# Altium PCB FMC_ADC_250M_16B_4ch_pcb.PcbDoc (part 2 of 8) (continued)
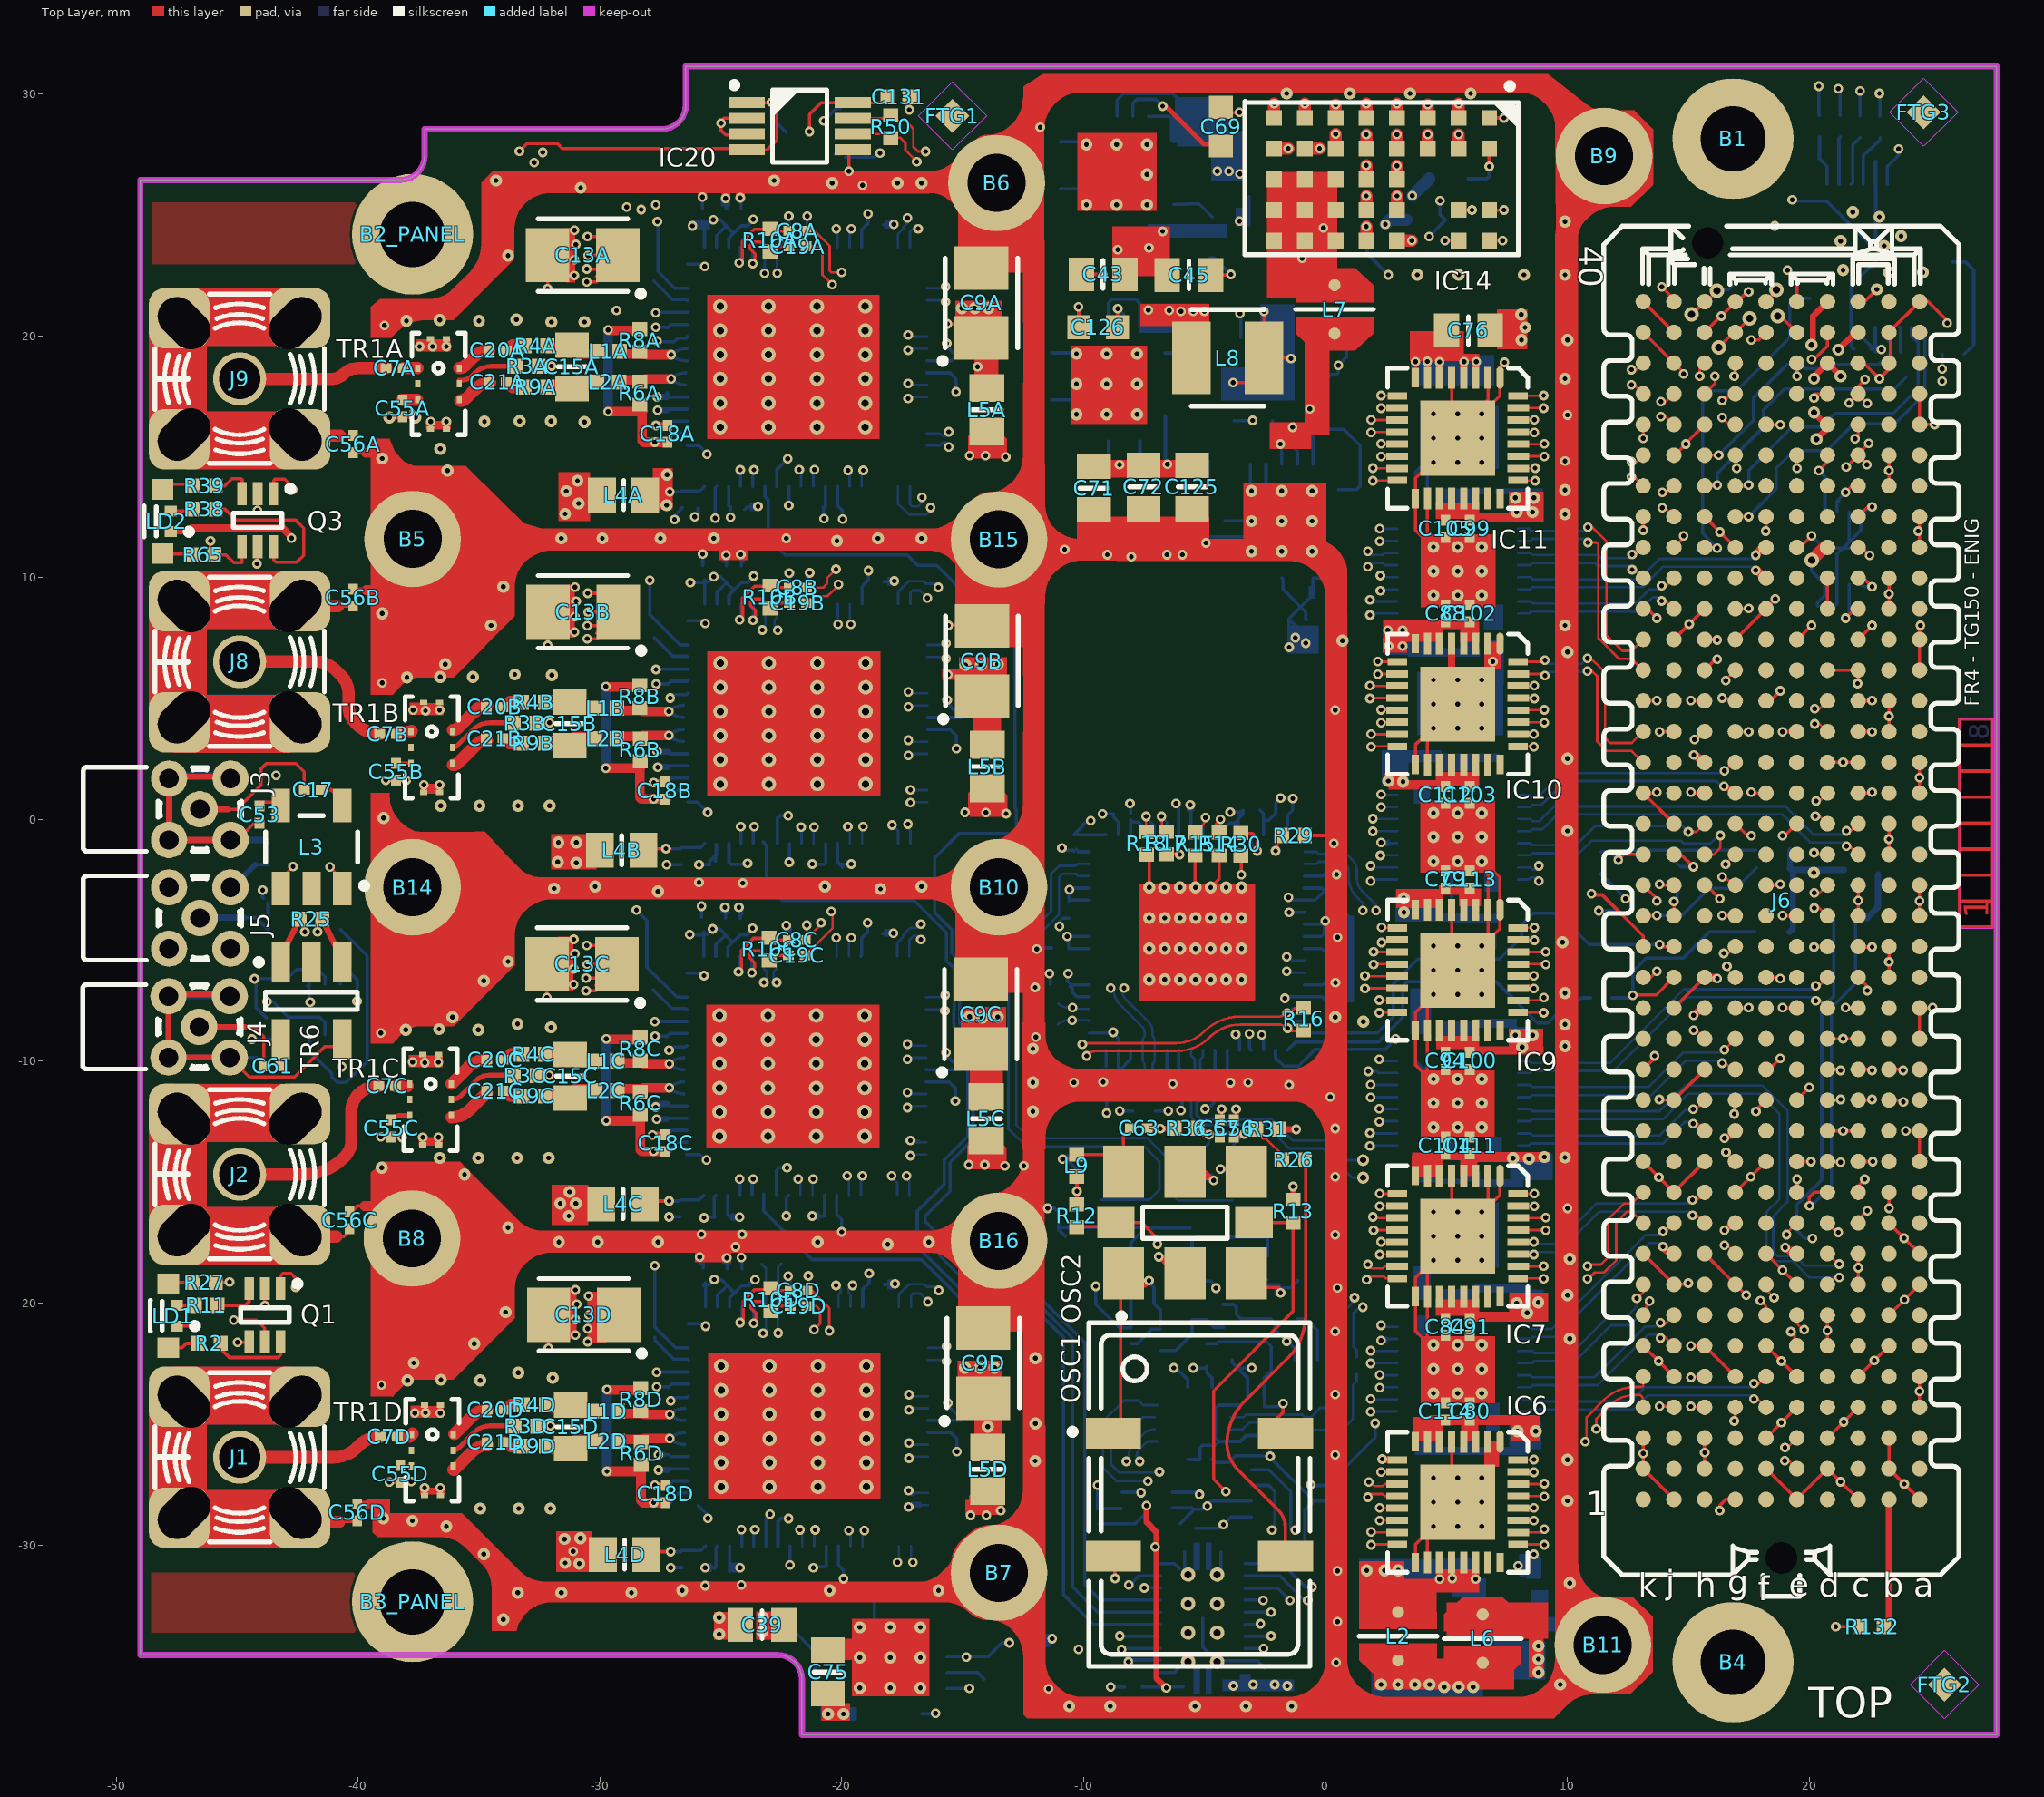
[diagram p0: Top Layer view]
## Part data (continued)
L4A L4B L4C L4D L5A L5B L5C L5D: library part IND0805_MURATA_BLM21PG221SN1D, "Inductor"
L8: library part IND_15UH_20%_TDK_VLCF4020-1, "Inductor"
LD1 LD2: library part LED_AVAGO_HSMF-C113, "Tricolor LEDs 1 Cathode Blue, 2 Common Anode, 3 Cathode Red, 4 Cathode Green"
OSC1: library part OSC_125MHZ_CRYSTEK_CVHD-950-100.000, "Oscillator 4 pins 1=VC 2=GND 3=OUT 4=VDD"
OSC2: library part OSC_10-280MHZ_SILICON-LAB_Si571AJC000337DG, "Any-Rate I2C Programmable XO Oscillator Si571 Serie"
Q1 Q2 Q3: "Dual N-Channel micro TrenchMOS™ Ultra Low Level FET"
R1A R1B R1C R1D R44 R55: library part R0402_10K_1%_0.0625W_100PPM, "Resistor - 1%"
R2 R11 R14 R15 R17 R18 R19 R20 R21 R23 R27 R32 R33 R34 R35 R38 R39 R46 R47: library part R0402_200R_1%_0.0625W_100PPM, "Resistor - 1%"
R3 R10A R10B R10C R10D R45 R50 R51 R52 R53 R74 R75: library part R0402_100R_1%_0.0625W_100PPM, "Resistor - 1%"
R3A R3B R3C R3D R72 R73: library part R0402_0R_JUMPER, "Resistor - 1%"
R4A R4B R4C R4D R9A R9B R9C R9D: library part R0402_15R_1%_0.0625W_100PPM, "Resistor - 1%"
R6A R6B R6C R6D R8A R8B R8C R8D: library part R0402_27R_1%_0.0625W_100PPM, "Resistor - 1%"
R12 R13 R42 R64: library part R0402_2K2_1%_0.0625W_100PPM, "Resistor - 1%"
R16 R25: library part R0402_49R9_1%_0.0625W_100PPM, "Resistor - 1%"
R24 R28: library part R0402_0R_JUMPER, "Resistor"
R26 R31 R36: library part R0402_200R_5%_0.0625W_100PPM, "Resistor - 5%"
R29: library part R0402_5K1_1%_0.0625W_100PPM, "Resistor - 1%"
R30: library part R0402_4K12_1%_0.0625W_100PPM, "Resistor - 1%"
R40: library part R0402_1R_1%_0.0625W_200PPM, "Resistor - 1%"
R43: library part R0603_27K_1%_0.1W_100PPM, "Resistor - 1%"
R48: library part R1210_270R_5%_0.5W_200PPM, "Resistor - 5%"
R49 R132: library part R0402_4K7_1%_0.0625W_100PPM, "Resistor - 1%"
R65: library part R0402_1K_1%_0.0625W_100PPM, "Resistor - 1%"
TP1A TP1B TP1C TP1D: library part SMD_PAD_1.20_d_MM, "Test Point"
TR1A TR1B TR1C TR1D: library part XFMR_ANAREN_BD0205F5050A00, "70MHz - 1000MHz Ultra Low Profile Sub-Miniature Balanced to Unbalanced Transformer"
TR6: library part XFMR_MINI-CIRCUITS_TC1-1+, "50 Ohm  0.4 To 500MHz RF Transformers"

## Via types
v1: diameter 0.4, hole 0.2, Top Layer to Bottom Layer, tented both sides, 961 vias
v2: diameter 0.5, hole 0.2, Top Layer to Bottom Layer, tented both sides, 351 vias
v3: diameter 0.4, hole 0.2, Top Layer to Bottom Layer, 13 vias
v4: diameter 0.5, hole 0.25, Top Layer to Bottom Layer, tented both sides, 8 vias
v5: diameter 0.6, hole 0.3, Top Layer to Bottom Layer, tented both sides, 7 vias

## Nets (pads, with @x,y where several pads share a name; then routed paths per layer and width w, separated by ;. In a path a pad name is that pad's centre, name@x,y a point inside that pad or via, vN(x,y) a via of type N, cw(c..) or ccw(c..) an arc to the next point about the centre after c; other vN are vias at no path point)
3P3VAUX: C55.2 IC22.8 J6.d32 | length 3.1
  Top Layer w0.508: v5(20.106,10.725) 20.636,11.255 J6.d32@20.761,11.255
  Bottom Layer w0.135: v5(20.106,10.725) 20.106,10.275 IC22.8@20.656,9.725 20.656,9.275 20.356,8.975 C55.2@20.356,8.825
ADC1_CLK_N: C19D.1 IC2.34 R20.1 | length 37.4
  Top Layer w0.102: C19D.1@-21.435,-20.117 -21.057,-20.117 -20.893,-20.28 -20.893,-20.847 -20.991,-20.945
  L5 w0.102: v1(-21.147,-21.093) -21.045,-21.093 -20.715,-20.763 -19.898,-20.763 cw(c-19.385,-20.897) -18.856,-20.872 ; -18.856,-20.877 ccw(c-18.555,-20.877) -18.254,-20.877 cw(c-17.725,-20.877) -17.195,-20.877 ccw(c-16.894,-20.877) -16.594,-20.877 cw(c-16.064,-20.877) -15.535,-20.877 ccw(c-15.234,-20.877) -14.933,-20.877 cw(c-14.404,-20.877) -13.874,-20.877 ccw(c-13.574,-20.877) -13.273,-20.877 cw(c-13.158,-20.877) -13.158,-20.763 -12.488,-20.763 ccw(c-12.488,-19.78) -11.794,-20.475 -10.772,-19.453 -8.719,-17.4 ccw(c-10.515,-15.604) -7.975,-15.604 -7.975,-15.375 ccw(c-8.276,-15.375) -8.276,-15.074 -8.415,-15.074 cw(c-8.415,-14.545) -8.415,-14.015 -7.307,-14.015 ccw(c-7.307,-13.715) -7.006,-13.715 ccw(c-7.307,-13.715) -7.307,-13.414 -8.175,-13.414 cw(c-8.175,-12.884) -8.175,-12.355 -7.405,-12.355 ccw(c-7.405,-12.054) -7.104,-12.054 ccw(c-7.405,-12.054) -7.405,-11.753 -7.446,-11.753 cw(c-7.446,-11.224) -7.975,-11.224 -7.975,-8.708 ccw(c-8.658,-8.708) -8.175,-8.225 ccw(c-8.709,-8.759) -8.709,-8.004 -9.713,-8.004 ccw(c-9.713,-9.016) -9.715,-8.004 ccw(c-9.713,-9.016) -10.428,-8.299 ccw(c-9.713,-9.016) v1@-10.429,-8.3
  Bottom Layer w0.102: R20.1@-11.059,-8.479 cw(c-10.626,-8.913) -10.714,-8.306 cw(c-10.626,-8.913) -10.626,-8.3 v1(-10.475,-8.3) -9.84,-8.3 cw(c-9.84,-8.417) IC2.34@-9.758,-8.334
ADC1_CLK_P: C8D.1 IC2.35 R19.1 | length 38.3
  Top Layer w0.102: C8D.1@-21.435,-19.482 -21.234,-19.482 -20.93,-19.786 -20.92,-19.786 -20.563,-20.143 -20.563,-20.153 -20.512,-20.204 v1(-20.512,-21.144)
  L5 w0.102: v1(-20.512,-21.144) -20.512,-21.169 -20.283,-21.169 -20.106,-20.991 -19.8,-20.991 ccw(c-19.8,-20.877) -19.686,-20.882 cw(c-19.385,-20.897) -19.084,-20.88 ccw(c-18.555,-20.877) -18.025,-20.877 cw(c-17.725,-20.877) -17.424,-20.877 ccw(c-16.894,-20.877) -16.365,-20.877 cw(c-16.064,-20.877) -15.763,-20.877 ccw(c-15.234,-20.877) -14.705,-20.877 cw(c-14.404,-20.877) -14.103,-20.877 ccw(c-13.574,-20.877) -13.057,-20.991 -12.394,-20.991 ccw(c-12.394,-20.009) -11.699,-20.704 ; -11.699,-20.704 -8.557,-17.562 ccw(c-10.515,-15.604) -7.746,-15.604 -7.746,-15.375 ccw(c-8.276,-15.375) -8.276,-14.846 -8.415,-14.846 cw(c-8.415,-14.545) -8.415,-14.244 -7.307,-14.244 ccw(c-7.307,-13.715) -6.777,-13.715 ccw(c-7.307,-13.715) -7.307,-13.185 -8.175,-13.185 cw(c-8.175,-12.884) -8.175,-12.584 -7.405,-12.584 ccw(c-7.405,-12.054) -6.876,-12.054 ccw(c-7.405,-12.054) -7.405,-11.525 -7.446,-11.525 cw(c-7.446,-11.224) -7.746,-11.224 -7.746,-8.708 ccw(c-8.658,-8.708) -8.013,-8.063 ccw(c-8.709,-8.76) -8.709,-7.775 v1(-10.458,-7.775)
  Bottom Layer w0.102: R19.1@-11.036,-7.62 ccw(c-10.662,-7.246) -10.714,-7.772 ccw(c-10.662,-7.246) -10.662,-7.775 v1(-10.458,-7.775) ccw(c-10.315,-7.632) -10.315,-7.834 IC2.35@-9.758,-7.834
ADC2_CLK_N: C19C.1 IC2.28 R23.1 | length 38.3
  Top Layer w0.102: C19C.1@-21.505,-5.617 -21.222,-5.334 -21.217,-5.334 -20.371,-4.488 -20.371,-4.191 -20.371,-3.854 v1(-20.425,-3.8)
  L5 w0.102: v1(-20.425,-3.8) -19.479,-3.8 ccw(c-19.479,-3.544) -19.298,-3.725 -19.189,-3.615 cw(c-18.75,-4.054) -18.75,-3.434 -17.028,-3.434 cw(c-17.028,-5.328) -15.688,-3.988 -15.446,-4.231 ccw(c-13.65,-2.435) -13.65,-4.975 -13.322,-4.975 ccw(c-13.322,-3.353) -12.175,-4.5 -11.972,-4.297 ccw(c-12.748,-3.52) -11.65,-3.52 -11.65,-0.005 cw(c-10.495,-0.005) -11.312,0.812 cw(c-10.305,-0.195) -10.305,1.229 -9.554,1.229 cw(c-9.554,0.146) -8.788,0.912 cw(c-9.493,0.207) -8.496,0.207 -8.496,-0.25 ccw(c-8.32,-0.25) -8.32,-0.426 -7.942,-0.426 cw(c-7.942,-0.831) -7.538,-0.831 -7.538,-1.08 cw(c-7.942,-1.08) -7.942,-1.485 -9.279,-1.485 ccw(c-9.279,-1.661) -9.455,-1.661 -9.455,-1.91 ccw(c-9.279,-1.91) -9.279,-2.086 -8.124,-2.086 cw(c-8.124,-2.491) -7.719,-2.491 -7.719,-2.74 cw(c-8.124,-2.74) -8.124,-3.145 -9.279,-3.145 ccw(c-9.279,-3.321) -9.455,-3.321 -9.455,-3.57 ccw(c-9.279,-3.57) -9.279,-3.747 -8.901,-3.747 cw(c-8.901,-4.151) -8.496,-4.151 -8.496,-6.828 ccw(c-8.253,-6.828) v1@-8.425,-7
  Bottom Layer w0.102: v1@-8.425,-7 ccw(c-7.802,-7) -8.243,-7.44 -7.326,-8.357 cw(c-7.77,-8.8) -7.143,-8.8 -7.143,-8.96 cw(c-7.348,-9.165) -7.058,-9.165 IC2.28@-7.058,-9.534 -7.058,-9.9 cw(c-7.348,-9.9) -7.143,-10.105 -7.143,-10.672 cw(c-7.381,-10.91) -7.044,-10.91 R23.1@-7.044,-11.132
  other v1: -8.325,-6.975
ADC2_CLK_P: C8C.1 IC2.29 R21.1 | length 37.4
  Top Layer w0.102: C8C.1@-21.505,-4.982 v1@-20.909,-4.385
  L5 w0.102: v1@-20.944,-4.372 v1@-20.891,-4.425 ; v1(-20.851,-4.275) -20.814,-4.312 ccw(c-20.275,-3.773) -20.275,-4.535 ccw(c-20.275,-3.353) -19.439,-4.189 -19.027,-3.777 cw(c-18.75,-4.054) -18.75,-3.662 -17.028,-3.662 cw(c-17.028,-5.328) -15.85,-4.15 -15.607,-4.393 ccw(c-13.65,-2.435) -13.65,-5.204 -13.322,-5.204 ccw(c-13.322,-3.353) -12.013,-4.662 -11.81,-4.458 ccw(c-12.748,-3.52) -11.421,-3.52 -11.421,-0.005 cw(c-10.495,-0.005) -11.15,0.65 cw(c-10.305,-0.195) -10.305,1 -9.554,1 cw(c-9.554,0.146) -8.95,0.75 cw(c-9.493,0.207) -8.725,0.207 -8.725,-0.25 ccw(c-8.32,-0.25) -8.32,-0.654 -7.942,-0.654 cw(c-7.942,-0.831) -7.766,-0.831 -7.766,-1.08 cw(c-7.942,-1.08) -7.942,-1.256 -9.279,-1.256 ccw(c-9.279,-1.661) -9.684,-1.661 -9.684,-1.91 ccw(c-9.279,-1.91) -9.279,-2.315 -8.124,-2.315 cw(c-8.124,-2.491) -7.948,-2.491 -7.948,-2.74 cw(c-8.124,-2.74) -8.124,-2.916 -9.279,-2.916 ccw(c-9.279,-3.321) -9.684,-3.321 -9.684,-3.57 ccw(c-9.279,-3.57) -9.279,-3.975 -8.901,-3.975 cw(c-8.901,-4.151) -8.725,-4.151 -8.725,-6.65 cw(c-9.147,-6.65) -8.849,-6.949 v1(-8.875,-6.975)
  Bottom Layer w0.102: v1@-8.755,-7 ccw(c-7.802,-7) -8.476,-7.674 -7.56,-8.59 cw(c-7.77,-8.8) -7.473,-8.8 -7.473,-8.96 ccw(c-7.268,-9.165) -7.558,-9.165 IC2.29@-7.558,-9.534 -7.558,-9.9 ccw(c-7.268,-9.9) -7.473,-10.105 -7.473,-10.5 cw(c-7.827,-10.5) -7.576,-10.75 R21.1@-7.958,-11.132
ADC3_CLK_N: C19B.1 IC2.53 R18.1 | length 37.5
  Top Layer w0.102: C19B.1@-21.462,8.95 -21.385,8.95 -21.101,9.235 -20.588,9.235 -20.41,9.412 -20.401,9.412 v1@-20.207,9.606 ; v1@-7.417,0.279 v1(-7.417,0.127) -7.417,-0.515 -7.401,-0.531 R18.1@-7.391,-0.541
  L5 w0.102: v1(-20.133,9.719) -20.027,9.825 -19.594,9.825 cw(c-19.594,9.64) -19.463,9.771 -18.634,8.942 ccw(c-17.394,10.182) -17.394,8.428 -10.903,8.428 ccw(c-10.39,8.562) -9.877,8.428 -8.93,8.428 cw(c-8.93,7.962) -8.6,8.292 -7.492,7.183 cw(c-8.163,6.512) -7.214,6.512 -7.214,6.115 cw(c-7.473,6.115) -7.473,5.855 -8.226,5.855 ccw(c-8.226,5.368) -8.714,5.368 -8.714,5.284 ccw(c-8.226,5.284) -8.226,4.797 -5.973,4.797 cw(c-5.973,4.537) -5.714,4.537 -5.714,4.454 cw(c-5.973,4.454) -5.973,4.195 -8.226,4.195 ccw(c-8.226,3.707) -8.714,3.707 -8.714,3.624 ccw(c-8.226,3.624) -8.226,3.136 -5.973,3.136 cw(c-5.973,2.877) -5.714,2.877 -5.714,2.794 cw(c-5.973,2.794) -5.973,2.535 -8.226,2.535 ccw(c-8.226,2.047) -8.714,2.047 -8.714,1.964 ccw(c-8.226,1.964) -8.226,1.476 -7.473,1.476 cw(c-7.473,1.217) -7.214,1.217 -7.214,0.618 cw(c-7.907,0.618) v1(-7.417,0.127)
  Bottom Layer w0.102: v1@-7.325,0.06 -7.325,-0.008 -7.058,-0.275 IC2.53@-7.058,-0.634
ADC3_CLK_P: C8B.1 IC2.54 R17.1 | length 38.1
  Top Layer w0.102: C8B.1@-21.462,9.585 -21,9.585 -20.995,9.59 -20.766,9.59 -20.612,9.744 -20.612,9.973 v1(-20.233,10.352) ; v1@-6.755,0.1 -6.755,-0.339 -6.589,-0.505 R17.1@-6.579,-0.515
  L5 w0.102: v1(-20.233,10.352) -19.933,10.054 -19.594,10.054 cw(c-19.594,9.64) -19.301,9.932 -18.472,9.104 ccw(c-17.394,10.182) -17.394,8.657 -10.805,8.657 cw(c-10.805,8.543) -10.691,8.548 ccw(c-10.39,8.562) -10.089,8.548 cw(c-9.975,8.543) -9.975,8.657 -8.93,8.657 cw(c-8.93,7.962) -8.439,8.453 -7.33,7.345 cw(c-8.163,6.512) -6.985,6.512 -6.985,6.115 cw(c-7.473,6.115) -7.473,5.627 -8.226,5.627 ccw(c-8.226,5.368) -8.485,5.368 -8.485,5.284 ccw(c-8.226,5.284) -8.226,5.025 -5.973,5.025 cw(c-5.973,4.537) -5.485,4.537 -5.485,4.454 cw(c-5.973,4.454) -5.973,3.966 -8.226,3.966 ccw(c-8.226,3.707) -8.485,3.707 -8.485,3.624 ccw(c-8.226,3.624) -8.226,3.365 -5.973,3.365 cw(c-5.973,2.877) -5.485,2.877 -5.485,2.794 cw(c-5.973,2.794) -5.973,2.306 -8.226,2.306 ccw(c-8.226,2.047) -8.485,2.047 -8.485,1.964 ccw(c-8.226,1.964) -8.226,1.704 -7.473,1.704 cw(c-7.473,1.217) -6.985,1.217 -6.985,0.618 ccw(c-6.291,0.618) v1(-6.782,0.127)
  Bottom Layer w0.102: v1(-6.782,0.127) -6.558,-0.097 IC2.54@-6.558,-0.634
ADC4_CLK_N: C19A.1 IC2.57 R15.1 | length 37.3
  Top Layer w0.102: C19A.1@-21.477,23.704 -20.94,23.704 -20.794,23.558 -20.794,22.525 v1(-20.394,22.125) ; R15.1@-5.385,-0.546 -5.088,-0.249 ccw(c-5.413,0.076) v1(-4.953,0.076)
  L5 w0.102: v1(-20.394,22.125) -20.271,22.247 -19.839,22.247 -19.788,22.196 -18.425,22.196 cw(c-18.425,19.95) -16.837,21.538 cw(c-17.339,21.036) -16.629,21.036 -16.629,16.325 ccw(c-13.925,16.325) -15.837,14.413 ccw(c-14.408,15.842) -14.408,13.821 -12.849,13.821 cw(c-12.849,11.281) -11.052,13.077 -10.654,12.679 cw(c-12.233,11.1) -10,11.1 ccw(c-8.797,11.1) -9.648,10.249 -9.007,9.608 ccw(c-7.9,10.715) -7.9,9.15 -7.23,9.15 cw(c-7.23,6.845) -5.6,8.475 -5.506,8.381 cw(c-7.302,6.585) -4.763,6.585 -4.763,5.46 ccw(c-4.423,5.46) -4.423,5.121 cw(c-4.423,4.96) -4.263,4.96 -4.263,3.679 cw(c-4.423,3.679) -4.423,3.519 ccw(c-4.423,3.179) -4.763,3.179 -4.763,0.536 cw(c-5.413,0.536) v1(-4.953,0.076)
  Bottom Layer w0.102: IC2.57@-5.058,-0.634 -5.058,-0.293 cw(c-4.7,-0.293) -4.953,-0.04 v1(-4.953,0.076)
ADC4_CLK_P: C8A.1 IC2.58 R14.1 | length 37.7
  Top Layer w0.102: C8A.1@-21.477,24.339 -21.108,24.339 -20.494,23.725 -20.494,22.692 -20.427,22.625 v1(-19.994,22.625) ; R14.1@-4.394,-0.546 cw(c-4.078,-0.23) -4.525,-0.23 -4.525,-0.225 cw(c-4.42,-0.225) -4.494,-0.151 v1(-4.343,0)
  L5 w0.102: v1(-19.994,22.625) -19.894,22.625 -19.694,22.425 -18.38,22.425 cw(c-18.38,20.058) -16.707,21.732 -16.675,21.7 cw(c-17.339,21.036) -16.4,21.036 -16.4,16.325 ccw(c-13.925,16.325) -15.675,14.575 ccw(c-14.408,15.842) -14.408,14.05 -12.849,14.05 cw(c-12.849,11.281) -10.891,13.239 -10.492,12.841 cw(c-12.233,11.1) -9.771,11.1 ccw(c-8.797,11.1) -9.486,10.411 -8.845,9.77 ; -8.844,9.769 ccw(c-7.9,10.715) -7.9,9.379 -7.23,9.379 cw(c-7.23,6.845) -5.438,8.637 -5.345,8.543 cw(c-7.302,6.585) -4.534,6.585 -4.534,5.46 ccw(c-4.423,5.46) -4.423,5.349 cw(c-4.423,4.96) -4.034,4.96 -4.034,3.679 cw(c-4.423,3.679) -4.423,3.29 ccw(c-4.423,3.179) -4.534,3.179 -4.534,0.46 ccw(c-3.883,0.46) v1(-4.343,0)
  Bottom Layer w0.102: IC2.58@-4.558,-0.634 -4.558,-0.518 cw(c-3.826,-0.518) v1(-4.343,0)
ADC_BUF_CSB0: IC1D.67 IC18.5 | length 21.8
  Top Layer w0.135: v1(-22.958,-28.731) v1@-22.95,-28.738
  L3 w0.127: v1(-22.958,-28.731) -22.958,-31.001 -21.054,-32.904 -15.593,-32.904 -13.713,-34.784 -9.463,-34.784 -8.837,-34.158 -8.837,-34.154 -8.594,-33.911 -8.59,-33.911 -8.498,-33.818 v1(-8.498,-33.768)
  Bottom Layer w0.135: IC1D.67@-23.133,-30.05 -23.133,-28.907 v1(-22.958,-28.731) ; v1(-8.498,-33.768) -6.923,-33.768 IC18.5@-6.898,-33.793
ADC_BUF_CSB1: IC1C.67 IC18.6 | length 30.4
  Bottom Layer w0.135: IC1C.67@-23.23,-15.48 -23.23,-16.191 -21.223,-18.197 -16.703,-18.197 -14.835,-20.065 -12.175,-20.065 -10.835,-21.406 -10.835,-32.04 -9.594,-33.281 IC18.6@-6.819,-33.281
ADC_BUF_CSB2: IC1B.67 IC18.7 | length 46.6
  Bottom Layer w0.135: IC1B.67@-23.255,-0.925 -23.103,-1.078 -23.103,-2.703 -22.456,-3.35 -20.581,-3.35 -17,-3.35 -15.669,-4.681 -15.669,-5.842 -15.354,-6.157 -15.354,-7.874 -15.362,-7.882 -15.362,-8.425 -15.354,-8.433 -15.354,-8.599 -14.791,-9.162 -14.791,-13.11 -15.756,-14.075 -15.756,-15.084 -16.875,-16.203 -16.875,-17.65 -14.696,-19.829 -12.077,-19.829 -10.454,-21.453 -10.454,-31.736 -9.408,-32.781 IC18.7@-6.819,-32.781
ADC_BUF_CSB3: IC1A.67 IC18.8 | length 64.8
  Bottom Layer w0.135: IC1A.67@-23.175,13.771 -23.175,13.338 -23.039,13.202 -23.039,11.634 -22.341,10.936 -17.286,10.936 -16.854,10.505 -16.073,10.505 -12.841,7.273 -12.841,0.471 -12.782,0.412 -12.782,-0.333 -13.019,-0.57 -15.131,-0.57 -16.15,-1.589 -16.15,-3.85 -15.433,-4.567 -15.433,-5.53 -15.117,-5.846 -15.117,-7.972 -15.126,-7.98 -15.126,-8.327 -15.117,-8.335 -15.117,-8.429 -14.554,-8.992 -14.554,-13.208 -15.519,-14.173 -15.519,-15.369 -16.55,-16.4 -16.55,-16.625 -15.95,-17.225 -15.95,-18.035 -14.392,-19.593 -11.98,-19.593 -9.946,-21.627 -9.946,-31.634 -9.299,-32.281 IC18.8@-6.819,-32.281
ADC_BUF_DATA0.CLKOUT_N: IC5.31 J6.f5 | length 10.8
  Top Layer w0.102: v1(17.715,-23.331) 17.814,-23.43 17.826,-23.43 J6.f5@18.221,-23.035
  Bottom Layer w0.102: IC5.31@7.971,-23.979 8.475,-23.979 8.56,-24.064 12.617,-24.064 13.201,-23.481 17.566,-23.481 v1(17.715,-23.331)
ADC_BUF_DATA0.CLKOUT_P: IC5.32 J6.f4 | length 10.8
  Top Layer w0.102: v1(17.715,-23.96) 17.762,-23.913 17.829,-23.913 J6.f4@18.221,-24.305
  Bottom Layer w0.102: IC5.32@7.971,-24.479 8.424,-24.479 8.509,-24.395 12.754,-24.395 13.338,-23.811 17.566,-23.811 v1(17.715,-23.96)
ADC_BUF_DATA0.D0_N: IC6.26 J6.e3 | length 13.8
  Top Layer w0.102: IC6.26@7.971,-29.479 9.04,-29.479 9.054,-29.466 v1(9.054,-29.348) ; v1@19.093,-26.029 19.093,-25.974 J6.e3@19.491,-25.575
  L3 w0.102: v1(9.054,-29.348) 9.054,-29.466 9.203,-29.615 15.836,-29.615 17.385,-28.067 17.385,-27.598 18.843,-26.14 18.896,-26.14 19.006,-26.029 v1@19.093,-26.029
  other v1: 19.006,-25.975
ADC_BUF_DATA0.D0_P: IC6.25 J6.e2 | length 14.4
  Top Layer w0.102: IC6.25@7.971,-29.979 9.04,-29.979 v1(9.054,-29.993) ; v1@19.067,-26.562 19.067,-26.551 19.133,-26.486 J6.e2@19.491,-26.845
  L3 w0.102: v1(9.054,-29.993) 9.203,-29.844 15.931,-29.844 ; 16.568,-29.207 15.931,-29.844 ; v1@19.067,-26.562 18.915,-26.41 18.896,-26.41 17.613,-27.692 17.613,-28.161 15.931,-29.844
  other v1: 18.999,-26.518
ADC_BUF_DATA0.D2_N: IC6.29 J6.f8 | length 16.2
  Top Layer w0.102: IC6.29@7.971,-27.979 9.04,-27.979 v1(9.054,-27.993) ; J6.f8@18.221,-19.225 18.221,-19.44 v1(18.553,-19.772)
  L5 w0.102: v1@18.477,-19.848 v1(18.553,-19.772)
  L3 w0.102: v1(9.054,-27.993) 9.203,-27.844 9.606,-27.844 12.542,-24.907 13.545,-24.907 14.068,-24.907 15.85,-24.907 15.879,-24.878 16.674,-24.083 16.674,-23.43 18.375,-21.728 18.375,-19.899 18.426,-19.899 v1(18.553,-19.772)
ADC_BUF_DATA0.D2_P: IC6.30 J6.f7 | length 15.7
  Top Layer w0.102: IC6.30@7.971,-27.479 9.04,-27.479 v1(9.054,-27.466) ; v1(17.994,-19.899) 18.221,-20.126 J6.f7@18.221,-20.495
  L3 w0.102: v1(9.054,-27.466) 9.203,-27.615 9.511,-27.615 12.448,-24.678 15.755,-24.678 16.445,-23.989 16.445,-23.335 18.147,-21.633 18.147,-19.899 v1(17.994,-19.899)
ADC_BUF_DATA0.D4_N: IC6.27 J6.e7 | length 17.1
  Top Layer w0.102: IC6.27@7.971,-28.979 8.608,-28.979 v1(8.622,-28.993) ; J6.e7@19.491,-20.495 19.491,-20.84 19.753,-21.101 v1(19.804,-21.101)
  L3 w0.102: v1(8.622,-28.993) 8.771,-28.844 9.504,-28.844 9.508,-28.84 14.235,-28.84 19.671,-23.404 19.671,-21.235 v1(19.804,-21.101)
ADC_BUF_DATA0.D4_P: IC6.28 J6.e6 | length 16.7
  Top Layer w0.102: IC6.28@7.971,-28.479 8.608,-28.479 v1(8.622,-28.466) ; v1(19.245,-21.178) 19.321,-21.178 19.401,-21.257 19.401,-21.674 J6.e6@19.491,-21.765
  L3 w0.102: v1(8.622,-28.466) 8.771,-28.615 9.409,-28.615 9.413,-28.611 14.141,-28.611 19.442,-23.31 19.442,-21.375 v1(19.245,-21.178)
ADC_BUF_DATA0.D6_N: IC6.32 J6.e10 | length 18.2
  Top Layer w0.102: IC6.32@7.971,-26.479 8.608,-26.479 v1(8.622,-26.466) ; v1(19.067,-17.164) 19.067,-17.109 J6.e10@19.491,-16.685
  L3 w0.102: v1(8.622,-26.466) 8.771,-26.615 8.901,-26.615 11.568,-23.948 11.568,-19.779 12.947,-18.401 17.004,-18.401 18.121,-17.283 18.949,-17.283 v1(19.067,-17.164)
ADC_BUF_DATA0.D6_P: IC6.31 J6.e9 | length 18.1
  Top Layer w0.102: IC6.31@7.971,-26.979 8.608,-26.979 v1(8.622,-26.993) ; v1(19.017,-17.698) 19.274,-17.955 J6.e9@19.491,-17.955
  L3 w0.102: v1(8.622,-26.993) 8.771,-26.844 8.996,-26.844 11.797,-24.043 11.797,-19.874 13.041,-18.629 17.099,-18.629 18.216,-17.512 18.83,-17.512 v1(19.017,-17.698)
ADC_BUF_DATA0.D8_N: IC5.29 J6.j7 | length 7.6
  Top Layer w0.102: v1(13.854,-20.816) 13.929,-20.89 14.016,-20.89 J6.j7@14.411,-20.495
  Bottom Layer w0.102: IC5.29@7.971,-22.979 8.475,-22.979 8.56,-23.064 11.126,-23.064 13.225,-20.965 13.705,-20.965 v1(13.854,-20.816)
ADC_BUF_DATA0.D8_P: IC5.30 J6.j6 | length 7.6
  Top Layer w0.102: v1(13.854,-21.444) 13.926,-21.373 14.019,-21.373 J6.j6@14.411,-21.765
  Bottom Layer w0.102: IC5.30@7.971,-23.479 8.475,-23.479 8.56,-23.395 11.262,-23.395 13.362,-21.295 13.705,-21.295 v1(13.854,-21.444)
ADC_BUF_DATA0.D10_N: IC5.27 J6.k8 | length 6.8
  Top Layer w0.102: v1(12.87,-19.806) 12.895,-19.806 13.141,-19.56 J6.k8@13.141,-19.225
  Bottom Layer w0.102: IC5.27@7.971,-21.979 8.556,-21.979 8.641,-22.064 10.19,-22.064 11.67,-20.585 12.432,-20.585 12.87,-20.147 v1(12.87,-19.806)
ADC_BUF_DATA0.D10_P: IC5.28 J6.k7 | length 7.3
  Top Layer w0.102: J6.k7@13.141,-20.495 13.273,-20.363 13.273,-19.962 13.327,-19.908 v1(13.403,-19.908)
  Bottom Layer w0.102: IC5.28@7.971,-22.479 8.556,-22.479 8.641,-22.395 10.327,-22.395 11.807,-20.915 12.569,-20.915 13.403,-20.081 v1(13.403,-19.908)
ADC_BUF_DATA0.D12_N: IC5.25 J6.j10 | length 8.3
  Top Layer w0.102: v1(13.956,-17.032) 14.004,-17.08 14.016,-17.08 J6.j10@14.411,-16.685
  Bottom Layer w0.102: IC5.25@7.971,-20.979 8.424,-20.979 8.509,-21.064 9.362,-21.064 11.644,-18.782 13.245,-17.181 13.807,-17.181 v1(13.956,-17.032)
ADC_BUF_DATA0.D12_P: IC5.26 J6.j9 | length 8.4
  Top Layer w0.102: v1(13.956,-17.661) 13.956,-17.626 14.019,-17.563 J6.j9@14.411,-17.955
  Bottom Layer w0.102: IC5.26@7.971,-21.479 8.475,-21.479 8.56,-21.395 9.498,-21.395 13.381,-17.512 13.807,-17.512 v1(13.956,-17.661)
ADC_BUF_DATA0.D14_N: IC7.26 J6.k11 | length 7.3
  Top Layer w0.102: IC7.26@7.971,-18.479 9.015,-18.479 v1(9.028,-18.466) ; v1@10.984,-18.401 11.39,-18.401 11.695,-18.096 11.695,-16.536 12.346,-15.885 12.672,-15.885 J6.k11@13.141,-15.415
  L3 w0.102: v1(9.028,-18.466) 9.177,-18.615 10.682,-18.615 v1(10.832,-18.466)
ADC_BUF_DATA0.D14_P: IC7.25 J6.k10 | length 7.5
  Top Layer w0.102: IC7.25@7.971,-18.979 9.015,-18.979 v1(9.028,-18.993) ; v1@10.882,-18.985 11.136,-18.731 11.527,-18.731 12.025,-18.233 12.025,-16.672 12.483,-16.215 12.672,-16.215 J6.k10@13.141,-16.685
  L3 w0.102: v1(9.028,-18.993) 9.177,-18.844 10.682,-18.844 v1(10.832,-18.993)
ADC_BUF_DATA1.CLKOUT_N: IC8.29 J6.d9 | length 21.7
  Top Layer w0.102: J6.d9@20.761,-17.955 21.176,-18.369 v1@21.176,-18.384
  Bottom Layer w0.102: IC8.29@7.971,-11.979 8.475,-11.979 8.56,-12.064 13.815,-12.064 14.871,-11.009 18.08,-11.009 19.103,-12.032 19.103,-15.822 18.517,-16.408 18.517,-17.879 18.697,-18.059 19.431,-18.059 19.823,-18.451 21.184,-18.451 v1(21.252,-18.384)
ADC_BUF_DATA1.CLKOUT_P: IC8.30 J6.d8 | length 21.7
  Top Layer w0.102: J6.d8@20.842,-19.225 J6.d8@20.761,-19.225 21.044,-18.942 v1(21.252,-18.942)
  Bottom Layer w0.102: IC8.30@7.971,-12.479 8.475,-12.479 8.56,-12.395 13.952,-12.395 15.007,-11.339 17.944,-11.339 18.773,-12.169 18.773,-15.695 18.237,-16.231 18.237,-17.971 18.529,-18.263 19.339,-18.263 20.019,-18.942 v1(21.252,-18.942)
ADC_BUF_DATA1.D0_N: IC7.28 J6.h11 | length 8.7
  Top Layer w0.102: IC7.28@7.971,-17.479 8.608,-17.479 v1(8.622,-17.466) ; v1(15.175,-15.736) 15.25,-15.81 15.286,-15.81 J6.h11@15.681,-15.415
  Bottom Layer w0.102: v1@8.673,-17.461 8.774,-17.562 9.519,-17.562 11.196,-15.885 15.026,-15.885 v1(15.175,-15.736)
ADC_BUF_DATA1.D0_P: IC7.27 J6.h10 | length 8.7
  Top Layer w0.102: IC7.27@7.971,-17.979 8.608,-17.979 v1(8.622,-17.993) ; v1(15.175,-16.364) 15.247,-16.293 15.289,-16.293 J6.h10@15.681,-16.685
  Bottom Layer w0.102: v1@8.596,-17.893 9.656,-17.893 11.333,-16.215 15.026,-16.215 v1(15.175,-16.364)
ADC_BUF_DATA1.D2_N: IC7.30 J6.g10 | length 9.8
  Top Layer w0.102: IC7.30@7.971,-16.479 9.091,-16.479 v1(9.104,-16.466) ; v1(16.496,-16.981) 16.496,-17.02 16.556,-17.08 J6.g10@16.951,-16.685
  L3 w0.102: v1(9.104,-16.466) 9.254,-16.615 13.481,-16.615 13.676,-16.419 ; 13.694,-16.4 14.496,-16.4 15.277,-17.181 16.343,-17.181 16.496,-17.029 v1(16.496,-16.981)
ADC_BUF_DATA1.D2_P: IC7.29 J6.g9 | length 9.8
  Top Layer w0.102: IC7.29@7.971,-16.979 9.091,-16.979 v1(9.104,-16.993) ; v1(16.496,-17.61) 16.543,-17.563 16.559,-17.563 J6.g9@16.951,-17.955
  L3 w0.102: v1(9.104,-16.993) 9.254,-16.844 13.574,-16.844 13.789,-16.629 14.401,-16.629 15.182,-17.41 16.343,-17.41 16.496,-17.562 v1(16.496,-17.61)
ADC_BUF_DATA1.D4_N: IC7.32 J6.g13 | length 10.2
  Top Layer w0.102: IC7.32@7.971,-15.479 8.634,-15.479 v1(8.647,-15.466) ; v1@16.609,-13.196 16.931,-12.875 J6.g13@16.951,-12.875
  L3 w0.102: v1(8.647,-15.466) 8.796,-15.615 9.629,-15.615 11.898,-13.346 16.46,-13.346 v1@16.609,-13.196
  other v1: 16.506,-13.175
ADC_BUF_DATA1.D4_P: IC7.31 J6.g12 | length 10.2
  Top Layer w0.102: IC7.31@7.971,-15.979 8.634,-15.979 v1(8.647,-15.993) ; v1(16.567,-13.761) J6.g12@16.951,-14.145
  L3 w0.102: v1(8.647,-15.993) 8.796,-15.844 9.724,-15.844 11.993,-13.575 16.381,-13.575 v1(16.567,-13.761)
ADC_BUF_DATA1.D6_N: IC8.31 J6.h14 | length 8.4
  Top Layer w0.102: v1@15.308,-12.008 15.681,-11.635 J6.h14@15.681,-11.605
  Bottom Layer w0.102: IC8.31@7.971,-12.979 8.475,-12.979 8.56,-13.064 13.831,-13.064 14.887,-12.008 v1@15.308,-12.008
  other v1: 15.206,-11.975
ADC_BUF_DATA1.D6_P: IC8.32 J6.h13 | length 8.3
  Top Layer w0.102: v1@15.308,-12.542 15.348,-12.542 J6.h13@15.681,-12.875
  Bottom Layer w0.102: IC8.32@7.971,-13.479 8.424,-13.479 8.509,-13.395 13.968,-13.395 14.85,-12.513 15.279,-12.513 v1@15.308,-12.542
  other v1: 15.206,-12.575
ADC_BUF_DATA1.D8_N: IC8.27 J6.g16 | length 9.6
  Top Layer w0.102: v1(16.502,-9.519) 16.502,-9.514 J6.g16@16.951,-9.065
  Bottom Layer w0.102: IC8.27@7.971,-10.979 8.475,-10.979 8.56,-11.064 13.352,-11.064 14.778,-9.638 16.318,-9.638
ADC_BUF_DATA1.D8_P: IC8.28 J6.g15 | length 9.5
  Top Layer w0.102: v1@16.527,-10.052 16.81,-10.335 J6.g15@16.951,-10.335
  Bottom Layer w0.102: IC8.28@7.971,-11.479 8.475,-11.479 8.56,-11.395 13.489,-11.395 14.915,-9.968 v1@16.318,-9.968
  other v1: 16.406,-10.075
ADC_BUF_DATA1.D10_N: IC8.25 J6.d18 | length 14.3
  Top Layer w0.102: v1(20.28,-6.872) 20.328,-6.92 20.366,-6.92 J6.d18@20.761,-6.525
  Bottom Layer w0.102: IC8.25@7.971,-9.979 8.424,-9.979 8.509,-10.064 11.776,-10.064 14.819,-7.021 20.131,-7.021 v1(20.28,-6.872)
ADC_BUF_DATA1.D10_P: IC8.26 J6.d17 | length 14.4
  Top Layer w0.102: v1(20.28,-7.501) 20.28,-7.492 20.369,-7.403 J6.d17@20.761,-7.795
  Bottom Layer w0.102: IC8.26@7.971,-10.479 8.475,-10.479 8.56,-10.395 11.913,-10.395 14.956,-7.352 20.131,-7.352 v1(20.28,-7.501)
ADC_BUF_DATA1.D12_N: IC9.26 J6.h17 | length 8.6
  Top Layer w0.102: IC9.26@7.971,-7.479 9.015,-7.479 9.032,-7.463 v1(9.032,-7.364) ; v1(15.226,-8.091) 15.226,-8.13 15.286,-8.19 J6.h17@15.681,-7.795
  L3 w0.102: v1(9.032,-7.364) 9.032,-7.463 9.028,-7.466 9.177,-7.615 11.342,-7.615 12.019,-8.291 15.026,-8.291 v1(15.226,-8.091)
ADC_BUF_DATA1.D12_P: IC9.25 J6.h16 | length 8.3
  Top Layer w0.102: IC9.25@7.971,-7.979 9.015,-7.979 v1(9.028,-7.993) ; v1(15.226,-8.72) 15.273,-8.673 15.289,-8.673 J6.h16@15.681,-9.065
  L3 w0.102: v1(9.028,-7.993) 9.177,-7.844 11.248,-7.844 11.924,-8.52 15.026,-8.52 v1(15.226,-8.72)
ADC_BUF_DATA1.D14_N: IC9.28 J6.g19 | length 9.7
  Top Layer w0.102: IC9.28@7.971,-6.479 8.608,-6.479 v1(8.622,-6.466) ; v1(16.47,-5.535) 16.47,-5.564 16.502,-5.596 16.611,-5.596 J6.g19@16.951,-5.255
  L3 w0.102: 8.771,-6.615 9.166,-6.615 9.373,-6.409 9.44,-6.342 11.133,-6.342 11.359,-6.568 11.406,-6.615 13.473,-6.615 13.474,-6.613 13.507,-6.646 15.095,-6.646 16.006,-5.735 16.27,-5.735 v1(16.47,-5.535)